# Altium PCB HallFM2_2.PcbDoc (part 3 of 3)
Units mm, origin at the board's own origin, x right, y up, seen from the top; angles counter-clockwise.
Board outline 114 x 97 mm, 4 copper layers (Top Layer, Signal Layer 1, Signal Layer 2, Bottom Layer), stack 0.971 mm thick; 296 components, 226 nets, 1011 pads, 388 vias.
Unrouted connection lines stored in the file: 247.
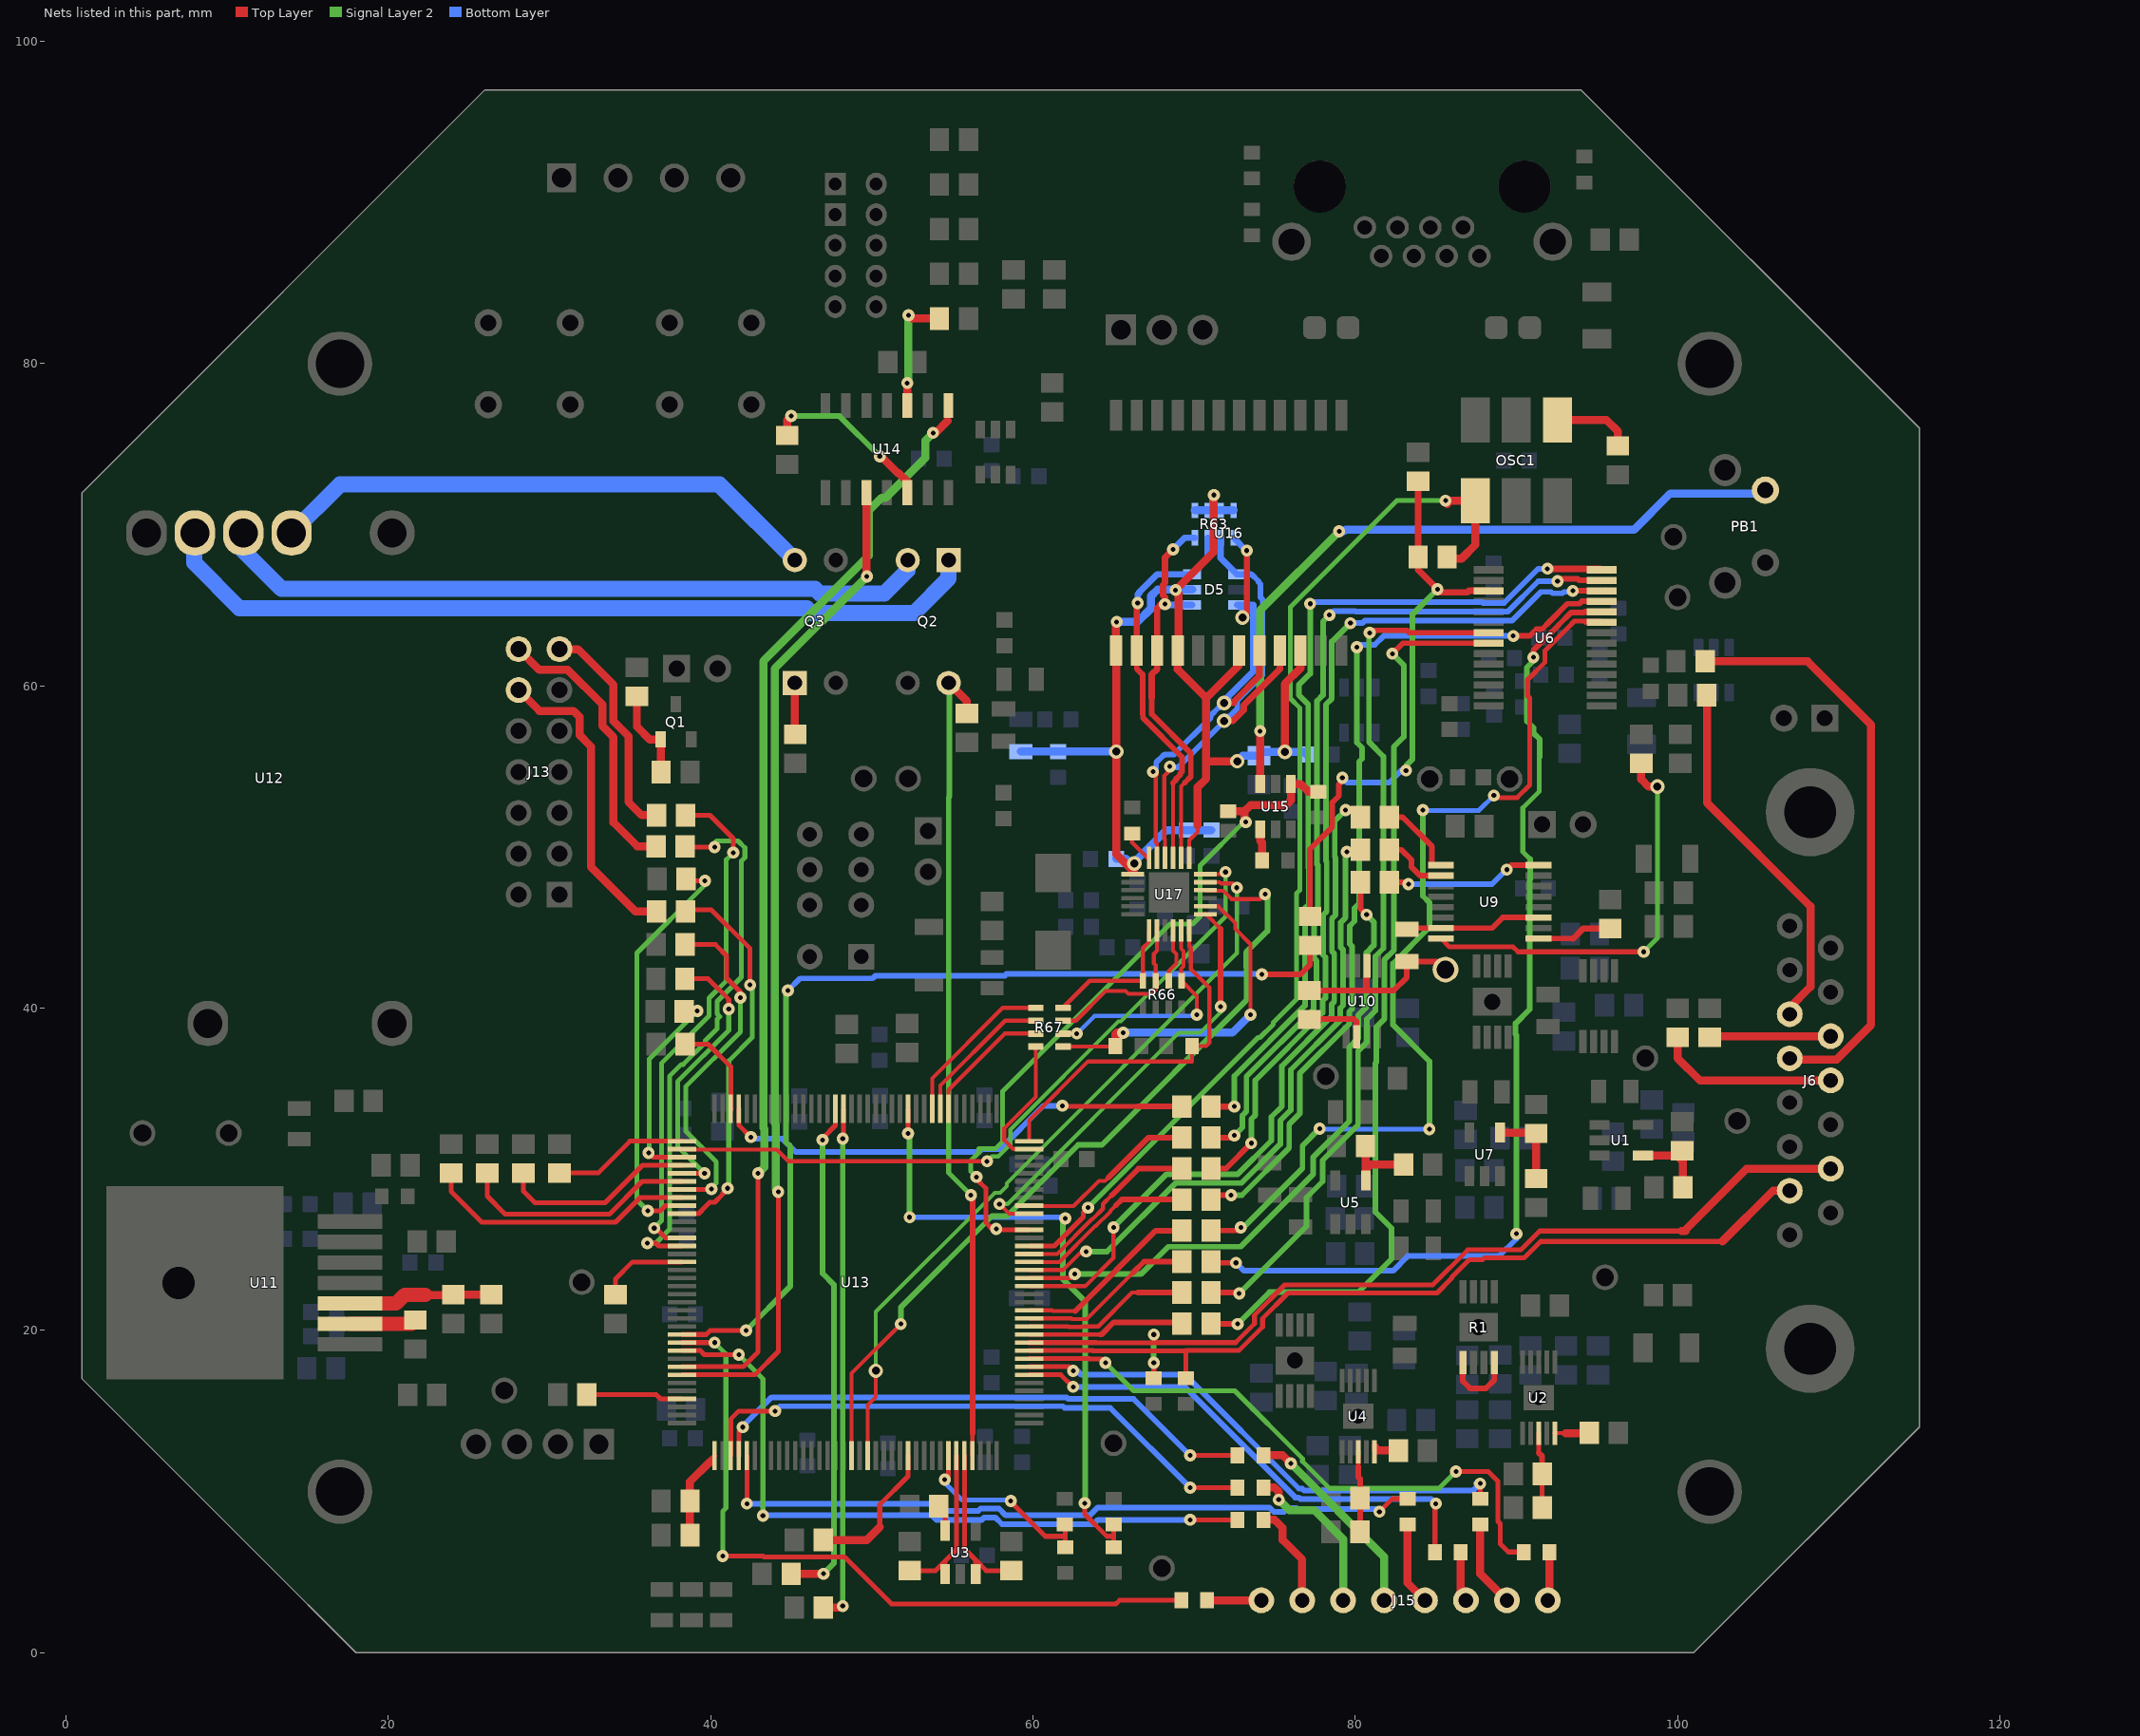
[diagram p5: the nets of this part, all layers, seen from the top]

## Via types
v1: diameter 0.75, hole 0.3, Top Layer to Bottom Layer, tented both sides, 242 vias
v2: diameter 0.9, hole 0.5, Top Layer to Bottom Layer, tented both sides, 133 vias
v3: diameter 1.27, hole 0.711, Top Layer to Bottom Layer, tented both sides, 8 vias
v4: diameter 0.9, hole 0.5, Top Layer to Bottom Layer, 5 vias

## Nets (pads, with @x,y where several pads share a name; then routed paths per layer and width w, separated by ;. In a path a pad name is that pad's centre, name@x,y a point inside that pad or via, vN(x,y) a via of type N, cw(c..) or ccw(c..) an arc to the next point about the centre after c; other vN are vias at no path point) (continued)
NetJ13_12: J13.12 R92.1 | length 19.3
  Top Layer w0.5: J13.12@28.085,59.745 29.375,58.455 31.495,58.455 31.875,58.075 31.875,56.945 32.575,56.245 32.575,48.777 35.352,46 R92.1@36.65,46
NetJ13_13: J13.13 R94.1 | length 14
  Top Layer w0.5: J13.13@30.625,62.285 31.765,62.285 33.975,60.075 33.975,57.815 34.9,56.89 34.9,52.8 35.725,51.975 R94.1@36.65,51.975
NetJ13_14: J13.14 R95.1 | length 17.5
  Top Layer w0.5: J13.14@28.085,62.285 29.37,61 31.138,61 33.275,58.863 33.275,57.525 33.975,56.825 33.975,51.525 35.45,50.05 R95.1@36.625,50.05
NetJ15_1: J15.1 R100.1 | length 3.4
  Top Layer w0.5: R100.1@70.8,3.25 J15.1@74.17,3.25
NetJ15_2: J15.2 R101.1 | length 6.4
  Top Layer w0.5: R101.1@74.3,8.25 75,8.25 75.5,7.75 75.5,7 76.71,5.79 J15.2@76.71,3.25
NetJ15_3: J15.3 R102.1 | length 10.4
  Top Layer w0.5: R102.1@74.3,10.25 75,10.25 75.25,10 v1(75.25,9.5)
  Signal Layer 2 w0.5: v1(75.25,9.5) 75.9,8.85 77.45,8.85 79.25,7.05 J15.3@79.25,3.25
NetJ15_4: J15.4 R103.1 | length 12.8
  Top Layer w0.5: R103.1@74.3,12.25 75.5,12.25 v1(76,11.75)
  Signal Layer 2 w0.5: v1(76,11.75) 81.79,5.96 J15.4@81.79,3.25
NetJ15_5: J15.5 R104.1 | length 5.1
  Top Layer w0.5: R104.1@83.25,7.95 83.25,4.33 J15.5@84.33,3.25
NetJ15_6: J15.6 R105.1 | length 3.1
  Top Layer w0.5: R105.1@86.55,6.25 86.55,3.57 J15.6@86.87,3.25
NetJ15_7: J15.7 R106.1 | length 5.4
  Top Layer w0.5: R106.1@87.75,7.95 87.75,4.91 J15.7@89.41,3.25
NetJ15_8: J15.8 R107.1 | length 3
  Top Layer w0.5: J15.8@91.95,3.25 92.05,3.35 R107.1@92.05,6.25
NetJ27_1: J27.1 L3.1 R31.2 U10.6 | length 11.5
  Top Layer w0.35: R31.2@77.15,41.1 80.7,41.1 ; U10.6@80.73,42.63 80.73,41.13 80.7,41.1 ; J27.1@85.6,42.4 85.1,42.9 L3.1@83.2,42.9 83.2,41.916 82.384,41.1 80.7,41.1
NetOSC1_1: OSC1.1 R56.2 | length 5
  Top Layer w0.5: OSC1.1@92.59,76.55 OSC1.1@92.54,76.5 95.6,76.5 96.3,75.8 R56.2@96.3,74.9
NetOSC1_4: OSC1.4 R54.1 U13.23 | length 66.9
  Top Layer w0.3: U13.23@59.77,25.25 61.327,25.25 63.125,27.048 63.125,27.325 v1(63.425,27.625)
  Top Layer w0.5: R54.1@85.7,68 85.8,67.9 86.6,67.9 87.46,68.76 OSC1.4@87.46,71.5 85.9,71.5 v1@85.7,71.3
  Signal Layer 2 w0.3: v1(63.425,27.625) 73.975,38.175 74.09,38.175 74.925,39.01 74.925,39.125 76.354,40.554 76.354,47.129 76.554,47.329 76.554,58.643 75.975,59.222 75.975,64.9 82.575,71.5 v1(85.6,71.5)
NetPB1_1: PB1.1 U15.3 | length 45.2
  Top Layer w0.5: v1(74.1,57.2) 74.1,53.918 U15.3@74.105,53.913
  Signal Layer 2 w0.5: v1(74.1,57.2) 74.1,64.7 v1(79,69.6)
  Bottom Layer w0.5: v1(79,69.6) 79.3,69.6 79.4,69.7 97.3,69.7 99.55,71.95 105.25,71.95 PB1.1@105.45,72.15
NetQ1_1: Q1.1 R48.2 R49.1 | length 5.7
  Top Layer w0.5: R48.2@35.425,59.35 35.425,57.475 36.225,56.675 Q1.1@36.9,56.675 36.925,56.65 R49.1@36.925,54.65
NetQ2_1: Q2.1 U12.4 | length 52
  Bottom Layer w1: U12.4@8,69.5 7.95,69.45 7.95,67.65 10.77,64.83 45.979,64.83 46.284,64.525 52.625,64.525 54.77,66.67 Q2.1@54.77,67.81
NetQ2_2: Q2.2 U12.3 | length 44.7
  Bottom Layer w1: U12.3@11,69.5 11,68.4 13.37,66.03 46.476,66.03 46.781,65.725 50.775,65.725 52.23,67.18 Q2.2@52.23,67.81
NetQ2_4: Q2.4 R51.1 U13.141 | length 51
  Top Layer w0.25: U13.141@56.25,12.23 56.25,13.598
  Top Layer w0.35: v1(56.15,28.4) 56.25,28.3 56.25,13.598
  Top Layer w0.5: Q2.4@54.77,60.19 55.9,59.06 R51.1@55.9,58.3
  Signal Layer 2 w0.3: 54.77,33.484 54.77,29.78 v1(56.15,28.4)
  Signal Layer 2 w0.35: 54.77,33.484 54.77,53.086 54.825,53.141 54.825,60.135 Q2.4@54.77,60.19
NetQ3_1: Q3.1 R50.1 | length 3.2
  Top Layer w0.5: Q3.1@45.23,60.19 45.23,57.02 R50.1@45.25,57
NetQ3_4: Q3.4 U12.2 | length 34.4
  Bottom Layer w1: U12.2@14,69.5 17,72.5 40.54,72.5 Q3.4@45.23,67.81
NetR1_5: R1.5 R1.8 | length 4.6
  Top Layer w0.35: R1.5@86.68,18.005 86.68,16.845 87.125,16.4 88.103,16.4 88.63,16.927 R1.8@88.63,18.005
NetR2_1: R2.1 R4.2 U1.4 | length 4.7
  Top Layer w0.5: U1.4@97.855,30.855 R2.1@99.98,30.855 ; R2.1@100.28,31.155 R2.1@99.98,30.855 ; R4.2@100.33,28.88 100.33,30.505 R2.1@99.98,30.855
NetR3_2: R3.2 R34.2 U2.3 | length 4.7
  Top Layer w0.3: 91.38,12.42 U2.3@91.38,13.63 ; R34.2@91.6,9 R3.2@91.6,11.1
  Top Layer w0.35: 91.38,12.42 91.6,12.2 R3.2@91.6,11.1
NetR5_2: R5.2 U2.5 | length 2.2
  Top Layer w0.25: U2.5@92.38,13.63 93.055,13.63
  Top Layer w0.5: 93.055,13.63 94.505,13.63 R5.2@94.53,13.655
NetR9_2: R9.2 R72.2 U4.3 | length 5
  Top Layer w0.3: 80.18,11.555 U4.3@80.18,12.48
  Top Layer w0.35: 80.18,11.555 80.2,11.535 80.2,10.9 80.3,10.8 R9.2@80.3,9.6 R72.2@80.3,7.5
NetR10_2: R10.2 U4.5 | length 2.2
  Top Layer w0.3: U4.5@81.18,12.48 81.18,12.95 81.377,12.753 81.377,12.548
  Top Layer w0.5: 81.377,12.548 R10.2@82.673,12.548
NetR11_1: R11.1 U3.5 | length 1.7
  Top Layer w0.3: R11.1@54.155,9.1 54.55,8.705 U3.5@54.55,7.575
NetR12_1: R12.1 R14.2 U5.4 | length 3.9
  Top Layer w0.5: R12.1@80.655,31.43 80.655,30 80.955,30.3 R14.2@83,30.3
NetR13_1: R13.1 U6.24 | length 63.3
  Top Layer w0.35: R13.1@71.05,24.275 71.125,24.2 v1(72.6,24.2) ; v1(91.054,61.778) 91.054,62.21 91.82,62.975 92.625,63.78 92.625,63.793 93.382,64.55 94.195,64.55 94.25,64.605 U6.24@95.28,64.605
  Signal Layer 2 w0.3: 90.85,49.25 90.4,49.7 90.4,52.434 91.425,53.459 91.425,55.575 91.45,55.6
  Signal Layer 2 w0.35: v1(90,26) 90,38.339 89.95,38.389 89.95,39.061 90.825,39.936 90.825,47.974 90.85,47.999 90.85,49.25 ; v1(91.054,61.778) 91.054,61.554 90.65,61.15 90.65,57.809 91.05,57.409 91.05,57.089 91.45,56.689 91.45,55.6
  Bottom Layer w0.35: v1(72.6,24.2) 73.095,23.705 82.344,23.705 83.264,24.625 88.936,24.625 90,25.689 v1(90,26)
NetR13_2: R13.2 U13.14 | length 11
  Top Layer w0.25: U13.14@59.77,20.75 62.368,20.75 62.418,20.7 63.325,20.7 66.225,23.6
  Top Layer w0.35: 66.225,23.6 66.9,24.275 R13.2@69.25,24.275
NetR15_1: R15.1 U6.23 | length 59.8
  Top Layer w0.3: R15.1@71.05,26.2 72.7,26.2 v1(72.9,26.4) ; v1(88.6,53.2) 88.725,53.075 90.051,53.075 90.825,53.849 90.825,59.25 90.675,59.4 90.675,60.373 91.779,61.478 91.779,62.192 93.15,63.563 93.15,63.575 93.6,64.025 94.2,64.025 94.273,63.952 94.345,64.025 95.21,64.025 U6.23@95.28,63.955
  Signal Layer 2 w0.35: v1(72.9,26.4) 73.067,26.4 76.725,30.058 76.725,31.463 v1(77.791,32.529) ; v1(84.2,52.3) 84.2,46.967 84.6,46.567 84.6,45.017 82.35,42.767 82.35,38.961 84.6,36.711 v1(84.6,32.5)
  Bottom Layer w0.3: v1@77.575,32.425 77.679,32.529 v1(77.791,32.529) ; v1@77.65,32.5 v1(84.6,32.5) ; v1(84.2,52.3) 84.225,52.275 87.675,52.275 v1(88.6,53.2)
NetR15_2: R15.2 U13.15 | length 11.6
  Top Layer w0.25: U13.15@59.77,21.25 61.179,21.25 61.229,21.2 62.625,21.2
  Top Layer w0.35: 62.625,21.2 67.625,26.2 R15.2@69.25,26.2
NetR16_1: R16.1 U6.28 | length 54.2
  Top Layer w0.4: R16.1@71.05,33.9 v1(72.5,33.9) ; v1(91.925,67.275) 95.21,67.275 U6.28@95.28,67.205
  Signal Layer 2 w0.35: v1(72.5,33.9) 72.5,35.789 76.879,40.168 76.879,46.215 77.129,46.465 77.129,48.647 77.079,48.697 77.079,58.86 76.939,59 76.5,59.439 76.5,60.061 77.2,60.761 v1(77.2,65.1)
  Bottom Layer w0.35: v1(77.2,65.1) 77.3,65.2 87.88,65.2 87.925,65.155 89.235,65.155 91.355,67.275 v1(91.925,67.275)
NetR16_2: R16.2 U13.69 | length 30.4
  Top Layer w0.3: U13.69@41.75,33.77 41.75,32.746 42.496,32 v1(42.5,32) ; v1@61.825,33.9 66.5,33.9
  Top Layer w0.35: 66.5,33.9 R16.2@69.25,33.9
  Bottom Layer w0.35: v1(42.5,32) 42.6,31.9 44.458,31.9 45.283,31.075 56.666,31.075 56.843,31.252 57.464,31.252 57.952,31.252 60.65,33.95 v1(61.825,33.95)
NetR17_1: R17.1 U6.27 | length 54.4
  Top Layer w0.35: R17.1@71.05,31.975 72.375,31.975 v1(72.5,32.1) ; v1(92.55,66.5) 92.7,66.65 93.81,66.65 93.905,66.555 U6.27@95.28,66.555
  Signal Layer 2 w0.35: v1(72.5,32.1) 73,32.6 73,33.339 73.25,33.589 73.25,35.761 77.429,39.94 77.429,40.693 77.6,40.864 77.6,42.936 77.454,43.082 77.454,46.012 77.679,46.237 77.679,48.875 77.629,48.925 77.629,59.068 78,59.439 78,64 v1(78.4,64.4)
  Bottom Layer w0.35: v1@78.3,64.4 v1(78.4,64.4) 78.65,64.65 80.011,64.65 80.056,64.605 89.463,64.605 91.358,66.5 v1(92.55,66.5)
NetR17_2: R17.2 U13.28 | length 11.6
  Top Layer w0.25: 64.7,29.5 64.484,29.284 64.094,29.284 62.525,27.715 59.805,27.715 U13.28@59.77,27.75 ; U13.28@59.77,27.75 59.734,27.715 59.6,27.715 59.635,27.75 U13.28@59.77,27.75
  Top Layer w0.35: 64.7,29.5 67.175,31.975 R17.2@69.25,31.975
NetR18_1: R18.1 U6.26 | length 54.9
  Top Layer w0.35: R18.1@71.05,30.05 71.975,30.05 v1(73.55,31.625) ; v1(93.5,65.9) 95.275,65.9 U6.26@95.28,65.905 95.475,65.905 U6.26@95.525,65.955
  Signal Layer 2 w0.35: v1(73.55,31.625) 73.55,33.112 73.8,33.362 73.8,35.533 77.979,39.712 77.979,40.465 78.15,40.637 78.15,43.163 78.004,43.309 78.004,45.784 78.229,46.009 78.229,49.103 78.179,49.152 78.179,58.84 78.55,59.212 78.55,62.75 v1(79.7,63.9)
  Bottom Layer w0.35: v1(79.7,63.9) 80.439,63.9 80.589,64.05 89.725,64.05 91.514,65.839 92.15,65.839 92.239,65.75 92.861,65.75 92.95,65.839 93.5,65.839 v1(93.5,65.9)
NetR18_2: R18.2 U13.22 | length 11.8
  Top Layer w0.25: U13.22@59.77,24.75 61.499,24.75 63.674,26.925 63.715,26.925 64.35,27.56 64.35,27.85 64.9,28.4
  Top Layer w0.35: 64.9,28.4 66.55,30.05 R18.2@69.25,30.05
NetR19_1: R19.1 R22.2 U7.4 | length 5.1
  Top Layer w0.5: U7.4@88.98,32.28 91.17,32.28 R19.1@91.225,32.225 R22.2@91.225,29.43
NetR21_1: R21.1 R54.2 R55.2 U6.3 | length 35.6
  Top Layer w0.35: R55.2@77.175,45.7 77.175,49.853 78.58,51.258 78.58,52.773 78.987,53.18 78.987,53.887 79.2,54.1 v1(79.2,54.3)
  Top Layer w0.4: R55.2@77.175,45.7 R55.2@77.2,45.7 ; 83.9,67.2 v1(85.1,66) 85.297,65.803 86.956,65.803 87.058,65.905 U6.3@88.28,65.905 ; R54.2@83.9,68 R21.1@83.9,72.7
  Signal Layer 2 w0.35: v1(83.15,54.75) 83.15,55.05 83.56,55.46 83.56,64.46 v1(85.1,66)
  Bottom Layer w0.35: v1(79.2,54.3) 79.5,54 82.1,54 82.85,54.75 v1(83.15,54.75)
NetR24_1: R24.1 U6.25 | length 55.9
  Top Layer w0.35: R24.1@71.05,28.125 71.325,28.4 v1(72.3,28.4) ; v1(89.804,63.103) 90.828,63.103 91.25,63.525 91.592,63.525 92.075,64.008 92.075,64.021 93.154,65.1 93.9,65.1 94.055,65.255 U6.25@95.28,65.255
  Signal Layer 2 w0.35: v1(72.3,28.4) 72.966,28.4 75.9,31.334 75.9,32.801 76.554,33.454 76.554,35.954 79.629,39.029 79.629,39.782 79.8,39.953 79.8,43.847 79.654,43.993 79.654,45.101 79.95,45.397 79.95,46.211 80.25,46.511 80.25,55.308 80.425,55.483 80.425,56.167 80.1,56.492 v1(80.1,62.4)
  Bottom Layer w0.35: v1(80.1,62.4) 80.1,62.6 80.15,62.55 81.211,62.55 81.764,63.103 v1(89.804,63.103)
NetR24_2: R24.2 U13.21 | length 11.1
  Top Layer w0.25: U13.21@59.77,24.25 61.635,24.25 63.86,26.475 63.901,26.475 64.8,27.374 64.8,27.416 65.159,27.775
  Top Layer w0.35: 65.159,27.775 65.509,28.125 R24.2@69.25,28.125
NetR26_1: R26.1 U6.8 | length 58.2
  Top Layer w0.35: R26.1@71.05,20.425 71.175,20.3 71.275,20.4 v1(72.7,20.4) ; v1(82.3,62) 82.955,62.655 U6.8@88.28,62.655
  Signal Layer 2 w0.35: v1(72.7,20.4) 74.675,22.375 80.186,22.375 82.25,24.439 82.25,26.35 81.25,27.35 81.25,36.6 81.3,36.65 81.3,38.825 81.8,39.325 81.8,42.995 82.4,43.595 82.4,56.222 83.01,56.831 83.01,61.29 v1(82.3,62)
NetR26_2: R26.2 U13.12 | length 9.8
  Top Layer w0.25: U13.12@59.77,19.75 64.15,19.75
  Top Layer w0.35: 64.15,19.75 64.257,19.75 65.007,20.5 69.175,20.5 R26.2@69.25,20.425
NetR27_1: R27.1 U6.7 | length 54.4
  Top Layer w0.35: R27.1@71.05,22.35 72.75,22.35 v1(72.8,22.3) ; v1(80.9,63.3) 81.05,63.45 83.211,63.45 83.356,63.305 U6.7@88.28,63.305
  Signal Layer 2 w0.35: v1(72.8,22.3) 76.975,26.475 76.975,28.25 77.975,29.25 77.975,30.561 80.175,32.761 80.175,37.347 80.729,37.9 80.729,39.326 81.25,39.847 81.25,43.223 81.75,43.723 81.75,55.62 80.85,56.52 80.85,63.25 v1(80.9,63.3)
NetR27_2: R27.2 U13.13 | length 10.4
  Top Layer w0.25: U13.13@59.77,20.25 62.187,20.25 62.219,20.219 63.031,20.219 63.063,20.25 64.05,20.25 66.15,22.35 66.525,22.35
  Top Layer w0.35: 66.525,22.35 R27.2@69.25,22.35
NetR31_1: R31.1 U10.2 | length 4
  Top Layer w0.35: R31.1@77.15,39.3 77.15,39.33 79.92,39.33 80.08,39.17 U10.2@80.08,38.23
NetR32_1: R32.1 U9.8 | length 25.9
  Top Layer w0.3: U9.8@85.325,44.325 85.85,43.8 89.8,43.8 90.1,43.5 v1(97.9,43.5)
  Top Layer w0.5: R32.1@97.75,55.2 97.575,55.025 97.575,54.825 97.742,54.825 97.742,54.208 98.2,53.75 v2(98.75,53.75)
  Signal Layer 2 w0.3: v1(97.9,43.5) 98.75,44.35 v2(98.75,53.75)
NetR35_1: R35.1 U9.9 | length 4.7
  Top Layer w0.35: U9.9@91.375,44.325 93.525,44.325
  Top Layer w0.4: 93.525,44.325 94.15,44.95 R35.1@95.825,44.95
NetR36_1: R36.1 U13.18 | length 43.6
  Top Layer w0.25: U13.18@59.77,22.75 63.25,22.75 65,24.5 v1(65,26.4)
  Top Layer w0.35: v1(79.4,52.3) 79.767,52.3 80.267,51.8 R36.1@80.325,51.858
  Signal Layer 2 w0.35: v1(65,26.4) 68.3,29.7 72.711,29.7 74.8,31.789 74.8,33.256 75.454,33.91 75.454,36.409 78.529,39.484 78.529,40.238 78.7,40.409 78.7,43.391 78.554,43.537 78.554,45.557 78.779,45.781 78.779,49.33 78.729,49.38 78.729,51.629 v1(79.4,52.3)
NetR36_2: R36.2 U9.1 | length 5.1
  Top Layer w0.35: R36.2@82.125,51.858 82.942,51.858 84.764,50.036 84.764,49.897 84.763,49.895 84.763,49.505 84.764,49.503 84.764,48.875 U9.1@85.325,48.875
NetR37_1: R37.1 U13.19 | length 40.3
  Top Layer w0.25: U13.19@59.77,23.25 62.35,23.25 v1(62.6,23.5)
  Top Layer w0.35: R37.1@80.325,47.817 80.325,46.181 v1(80.704,45.802)
  Signal Layer 2 w0.35: v1(62.6,23.5) 66.7,23.5 68.4,25.2 72.9,25.2 77.4,29.7 77.4,30.763 79.625,32.988 79.625,37.574 80.179,38.128 80.179,39.554 80.7,40.075 80.7,43.451 81.154,43.905 81.154,45.352 v1(80.704,45.802)
NetR37_2: R37.2 U9.16 | length 9.8
  Top Layer w0.35: R37.2@82.125,47.817 83.283,47.817 83.3,47.8 v1(83.3,47.7) ; v1(89.4,48.6) 89.675,48.875 U9.16@91.375,48.875
  Bottom Layer w0.35: v1(83.3,47.7) 88.483,47.7 89.383,48.6 v1(89.4,48.6)
NetR38_1: R38.1 U13.20 | length 39.7
  Top Layer w0.25: U13.20@59.77,23.75 61.86,23.75 63.011,24.901 v1(63.303,24.901) ; v1(79.479,49.702) 79.479,49.777 v1@79.539,49.837
  Top Layer w0.35: v1@79.539,49.837 R38.1@80.325,49.837
  Signal Layer 2 w0.35: v1(63.303,24.901) 64.601,24.901 68.85,29.15 72.938,29.15 75.35,31.562 75.35,33.028 76.004,33.682 76.004,36.181 79.079,39.257 79.079,40.01 79.25,40.181 79.25,43.619 79.104,43.765 79.104,45.329 79.4,45.625 79.4,49.624 v1(79.479,49.702)
NetR38_2: R38.2 U9.2 | length 4.1
  Top Layer w0.35: R38.2@82.125,49.837 82.863,49.837 83.5,49.2 83.5,48.75 84.025,48.225 U9.2@85.325,48.225
NetR43_2: R43.2 U11.2 | length 4.1
  Top Layer w0.9: U11.2@17.63,20.415 21.44,20.415 R43.2@21.675,20.65
NetR44_2: R44.2 R46.1 U11.3 | length 9
  Top Layer w0.5: 22.3,22.205 24.018,22.205 R44.2@24.038,22.225 R46.1@26.4,22.225
  Top Layer w0.9: U11.3@17.63,21.685 20.491,21.685 21.011,22.205 22.3,22.205
NetR52_2: R52.2 U14.3 | length 7.7
  Top Layer w0.5: v1(52.2,78.8) 52.2,77.49 52.25,77.44 U14.3@52.21,77.4 ; v1(52.275,83) 52.475,82.8 R52.2@54.2,82.8
  Signal Layer 2 w0.5: v1(52.2,78.8) 52.275,78.875 v1(52.275,83)
NetR55_1: R55.1 U13.97 | length 60.2
  Top Layer w0.3: U13.97@38.23,19.75 39.725,19.75 39.975,20 v1(42.2,20)
  Top Layer w0.35: v1(74.2,42.1) 76.6,42.1 77.175,42.675 77.175,43.3
  Signal Layer 2 w0.35: v1(42.2,20) 44.95,22.75 44.95,31.408 44.675,31.683 44.675,40.975 v1(44.8,41.1)
  Bottom Layer w0.35: v1(44.8,41.1) 45.55,41.85 50.05,41.85 50.225,42.025 58.258,42.025 58.358,42.125 74.175,42.125 v1(74.2,42.1)
NetR57_2: R57.2 U14.12 | length 10.9
  Top Layer w0.5: R57.2@44.75,75.55 44.75,76.5 v1(45,76.75) ; v1(50.5,74.25) 50.577,74.25 51.627,73.2 51.69,73.2 52.21,72.68 U14.12@52.21,72 U14.12@52.25,72.04
  Signal Layer 2 w0.35: v1(45,76.75) 48,76.75 v1(50.5,74.25)
NetR62_2: R62.2 U15.4 | length 2
  Top Layer w0.5: U15.4@74.105,51.113 74.105,50.395 74.225,50.275 R62.2@74.225,49.175
NetR64_2: R64.2 R67.5 U17.14 | length 21.2
  Top Layer w0.25: R67.5@61.875,37.625 65.1,37.625 R64.2@65.125,37.65 ; U17.14@70.705,46.325 71.505,46.325 72.55,45.28 72.55,44.926 73.5,43.976 v1(73.5,39.6)
  Top Layer w0.5: R64.2@65.125,37.65 65.125,38.4 65.202,38.477 v1(65.603,38.477)
  Bottom Layer w0.5: v1(65.603,38.477) 72.377,38.477 v1(73.5,39.6)
NetR66_1: R66.1 R67.6 U17.11 | length 14.5
  Top Layer w0.25: R67.6@61.875,38.425 v1(62.725,38.425) ; U17.11@69.2,44.82 69.2,43.701 69.35,43.551 69.35,42.599 69.2,42.449 69.2,41.725 R66.1@69.225,41.7 70.175,40.75 v1(70.175,39.6)
  Bottom Layer w0.25: v1(62.725,38.425) 63.825,39.525 70.1,39.525 v1(70.175,39.6)
NetR66_2: R66.2 U17.10 | length 3.4
  Top Layer w0.25: R66.2@68.425,41.7 68.425,42.31 68.9,42.785 68.9,43.365 68.7,43.565 U17.10@68.7,44.82
NetR66_3: R66.3 R67.7 U17.8 | length 10.5
  Top Layer w0.25: R67.7@61.875,39.225 62.665,39.225 64.515,41.075 65.746,41.075 65.921,40.9 67.375,40.9 67.625,41.15 R66.3@67.625,41.7 67.625,42.66 67.5,42.785 67.5,43.365 67.7,43.565 U17.8@67.7,44.82
NetR66_4: R66.4 R67.8 U17.7 | length 8.9
  Top Layer w0.25: R67.8@61.875,40.025 61.875,40.05 63.525,41.7 R66.4@66.825,41.7 66.825,43.732 67.2,44.107 U17.7@67.2,44.82
NetR68_2: R68.2 U17.24 | length 2
  Top Layer w0.25: R68.2@66.15,50.85 66.15,50.3 67.12,49.33 U17.24@67.2,49.33
NetR70_1: R70.1 U3.3 U13.140 | length 10.1
  Top Layer w0.3: U13.140@55.75,12.23 55.76,12.22 55.76,6.44 56.5,5.7 ; U3.3@56.45,4.875 56.45,5.65 56.5,5.7 ; R70.1@58.655,5.1 57.1,5.1 56.5,5.7
NetR71_1: R71.1 U3.1 U13.139 | length 10.1
  Top Layer w0.3: R71.1@52.355,5.1 53.955,5.1 54.55,5.695 ; U3.1@54.55,4.875 54.55,5.695 ; U13.139@55.25,12.23 55.25,11.207 55.26,11.196 55.26,6.405 54.55,5.695
NetR73_1: R73.1 R75.1 U13.109 | length 5.6
  Top Layer w0.3: 40,11.825 40,11.98 U13.109@40.25,12.23
  Top Layer w0.5: R73.1@38.725,7.3 R75.1@38.725,9.425 38.725,10.625 39.925,11.825 40,11.825
NetR74_1: R74.1 U13.105 | length 6.1
  Top Layer w0.3: R74.1@32.325,16.025 36.625,16.025 36.9,15.75 U13.105@38.23,15.75
  Top Layer w0.5: R74.1@32.325,16.025 R74.1@32.375,15.975
NetR76_1: R76.1 U13.133 | length 9
  Top Layer w0.3: 50.5,7.8 50.5,9.2 52.25,10.95 U13.133@52.25,12.23
  Top Layer w0.5: R76.1@47,7 49.7,7 50.5,7.8